# KiCad board Scan_Head_Set-Relay_board-19.01.2023_Copy.kicad_pcb (continued)
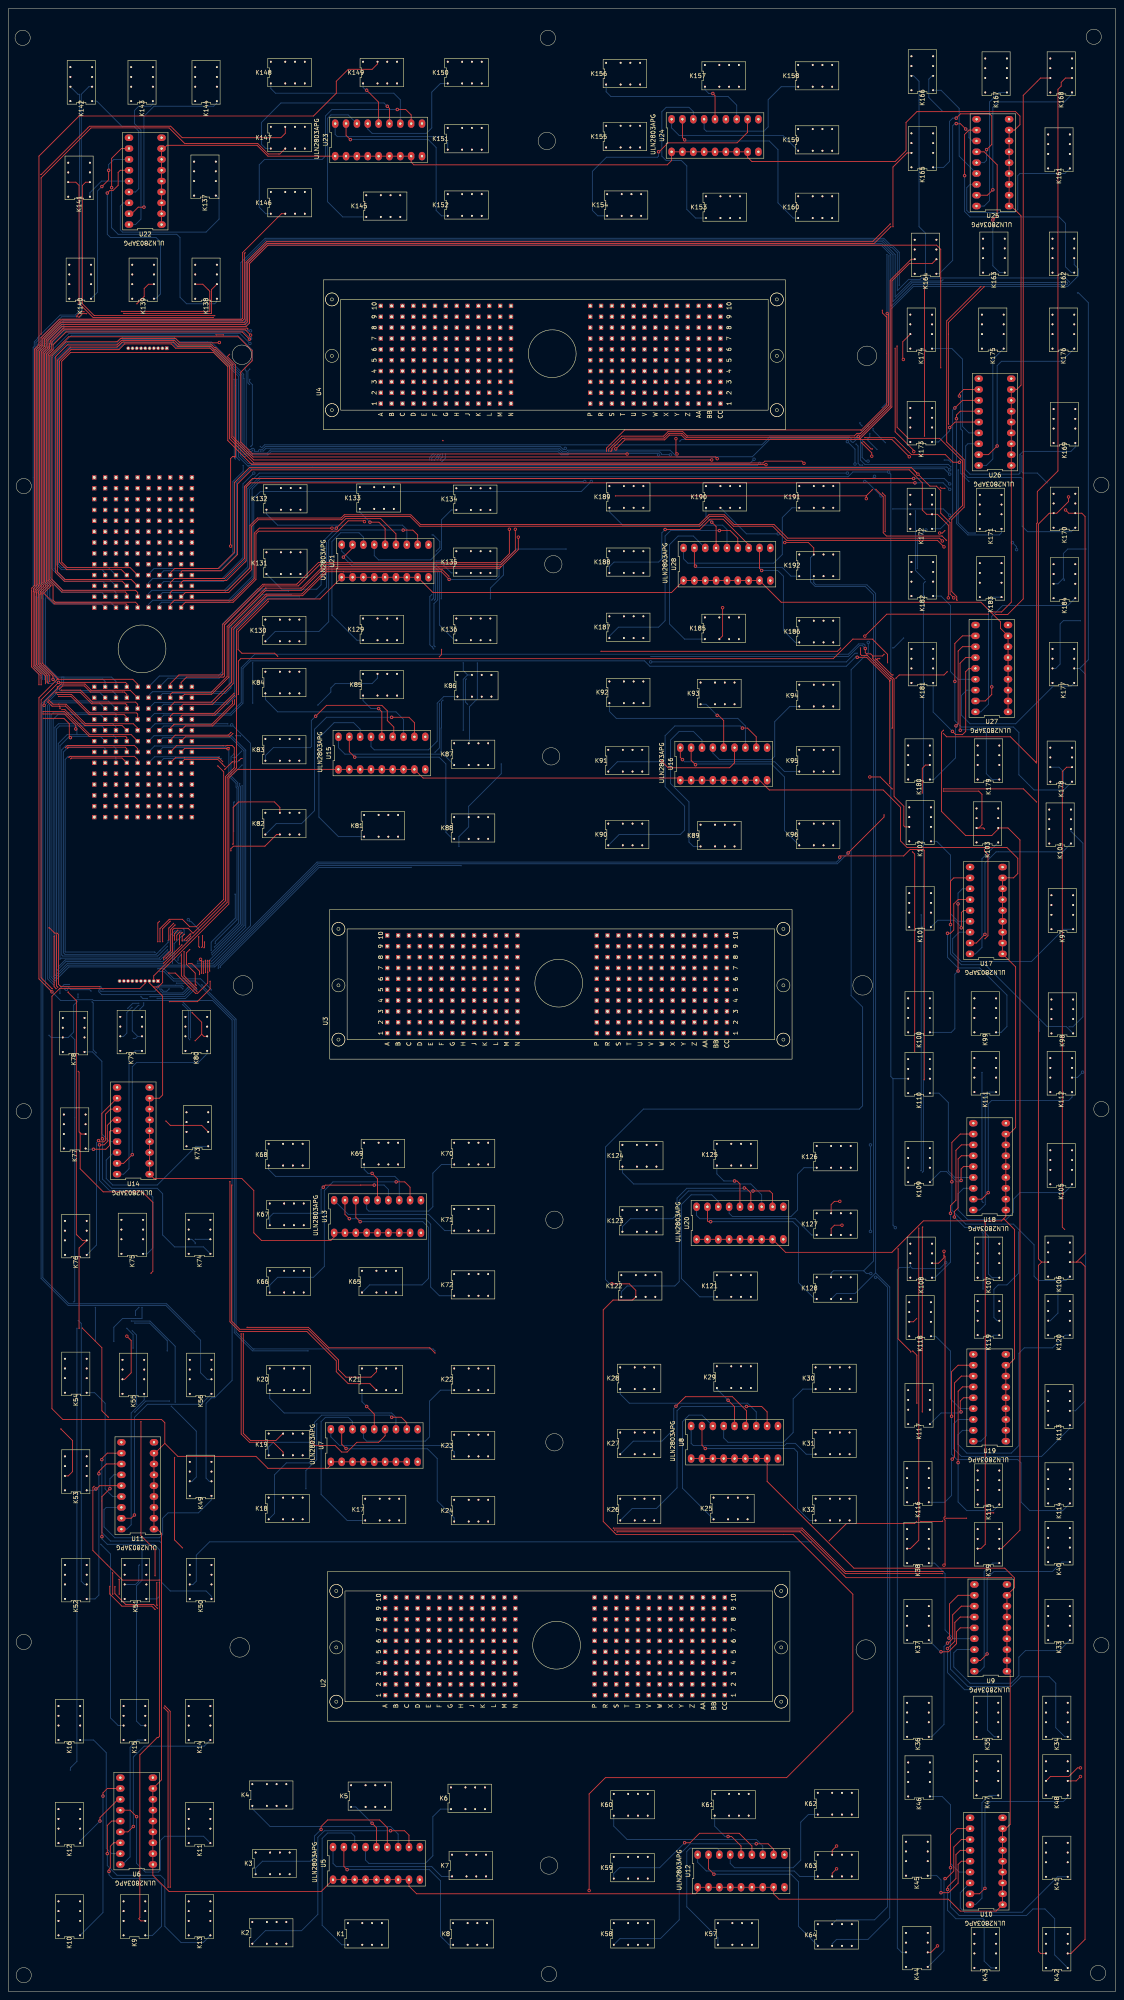
[diagram p0: board, top side]
## Routing (per net, layer and track width the routed paths; a pad name or vN(x,y) marks a point on that pad's centre or on a via; arc(x,y) is an arc through that point) (continued)
IO127: length 659.4
  Top w0.2: U1.T7 27.69,298.2 27.07,298.81 18.88,298.81 14.58,303.12 14.54,303.08 v4(11.7,303.08) ; K178.11 247.65,286.51 246.63,285.5 246.63,178.88 v4(247.18,178.34) ; v4(234.76,96.84) 196.02,96.84 185.28,107.58 142.47,107.58 v4(142.42,107.54) ; v4(35.36,96.27) 26.67,96.27 19.75,103.19 19.75,117.95 v4(20.01,118.21) ; v4(11.19,247.22) 11.21,247.2 11.21,235.32 v4(11.51,235.02)
  +12V w0.2: v4(20.01,118.21) 20.01,121.31 19.96,121.35 19.96,125.39 10.41,134.93 10.41,230.32 10.72,230.62 10.72,231.66 10.67,231.71 10.67,232.32 11.66,233.31 11.66,234.87 v4(11.51,235.02) ; v4(142.42,107.54) 141.32,106.43 45.72,106.43 43.94,104.65 43.94,96.27 ; v4(247.18,178.34) 246.89,178.05 246.89,117.86 247.14,117.6 ; v4(35.36,96.27) 43.94,96.27 ; 43.94,96.27 46.48,96.27 K50.11 ; K114.11 247.14,117.6 ; 247.14,117.6 247.14,113.54 246.38,112.78 243.33,112.78 240.28,109.73 240.28,102.36 v4(234.76,96.84) ; v4(11.7,303.08) 11.19,302.58 v4(11.19,247.22)
IO128: length 647.6
  Top w0.2: v4(11.43,303.53) 14.73,303.53 19.05,299.21 29.97,299.21 30.23,298.96 U1.T6 ; v4(192.09,105.47) 196.1,109.49 212.05,109.49 v4(212.54,109.98) ; v4(229.27,112.01) v4(230.57,112.01) ; v4(11.13,234.7) 10.67,235.15 10.67,246.89 v4(10.76,246.98) ; v4(218.64,110.08) 218.53,109.98 v4(213.49,109.98) ; v4(224.22,110.74) v4(219.4,110.74)
  +12V w0.2: v4(11.13,234.7) 11.26,234.56 11.26,233.48 10.27,232.49 10.27,231.54 10.32,231.49 10.32,230.79 9.94,230.41 9.94,134.51 12.38,132.08 12.7,132.08 19.56,125.22 19.56,103.12 21.34,101.35 21.34,96.52 24.38,93.47 41.15,93.47 42.42,94.74 K50.21 ; v1(189.29,105.22) 191.83,105.22 v4(192.09,105.47) ; v1(246.13,190.75) 246.13,179.32 245.62,178.82 245.62,117.86 245.36,117.6 K114.21 235.97,117.6 233.68,115.32 233.68,113.54 232.16,112.01 v4(230.57,112.01) ; v4(10.76,246.98) 10.71,247.02 10.71,302.81 v4(11.43,303.53) ; v4(229.27,112.01) 225.49,112.01 v4(224.22,110.74) ; v4(213.49,109.98) v4(212.54,109.98) ; v4(219.4,110.74) 218.84,110.74 218.59,110.49 218.59,110.13 v4(218.64,110.08)
  AGND w0.2: v2(246.87,282.19) 246.89,282.17 246.89,227.47 246.13,226.71 v1(246.13,190.75) ; v1(189.29,105.22) v2(188.02,105.22)
  Bottom w0.2: v2(188.02,105.22) 47.05,105.22 43.94,102.11 43.94,96.01 43.18,95.25 K50.21 ; v2(246.87,282.19) 246.87,285.52 245.87,286.51 K178.21
SH1SELECT: length 695.2
  Top w0.2: 36.58,128.27 34.29,125.98 U11.8 U11.1 34.8,108.2 35.81,107.19 35.81,49.53 U6.8 U6.1 33.78,27.18 37.59,23.37 73.15,23.37 U5.1 U5.8 93.73,24.64 95.5,22.86 160.78,22.86 161.29,23.37 U12.1 U12.8 179.07,22.86 180.34,21.59 219.96,21.59 222.76,18.8 231.14,18.8 U10.1 U10.8 233.43,38.1 234.44,39.12 234.44,74.17 U9.1 U9.3 U9.8 235.46,94.49 235.46,96.77 233.17,99.06 197.87,99.06 177.55,119.38 U8.8 U8.1 ; 36.58,128.27 39.62,125.22 57.91,125.22 60.71,122.43 74.68,122.43 75.44,123.19 U7.1 U7.8 ; 36.58,128.27 36.58,133.1 35.81,133.86 12.7,133.86 10.16,136.4 10.16,232.92 11.94,234.7 30.73,234.7 31.98,235.94 J1.4
SH2SELECT: length 601
  Top w0.2: 232.92,180.85 233.43,181.36 U18.1 U18.8 234.19,200.66 235.71,202.18 235.71,239.78 U17.1 U17.8 235.2,260.6 236.22,261.62 236.22,265.18 233.68,267.72 210.31,267.72 208.79,269.24 208.79,277.11 204.72,281.18 178.05,281.18 175.77,283.46 U16.8 U16.1 156.72,283.97 97.03,283.97 U15.8 U15.1 53.59,286 51.56,283.97 51.56,254.51 36.07,239.01 36.07,236.11 35.03,235.08 33.91,235.08 ; 232.92,180.85 235.46,178.31 235.46,148.08 233.93,146.56 U19.8 U19.1 ; 232.92,180.85 232.41,180.34 214.12,180.34 206.76,172.97 181.86,172.97 U20.8 U20.1 ; 33.91,235.08 32.98,236.01 J1.3 ; 33.91,235.08 36.07,232.92 36.07,209.8 35.31,209.04 U14.8 33.02,194.82 ; U13.8 U13.1 76.2,176.53 75.44,175.77 59.18,175.77 57.4,177.55 57.4,187.45 54.61,190.25 34.04,190.25 U14.1 33.02,194.82 ; 33.02,194.82 U14.2
SH3SELECT: length 662
  Top w0.2: U22.1 U22.8 36.32,431.29 37.08,432.05 58.17,432.05 60.71,429.51 U23.1 U23.8 94.23,428.12 94.87,427.48 154.18,427.48 155.19,428.5 U24.1 U24.8 172.97,429.26 173.99,428.24 207.52,428.24 210.06,430.78 210.06,437.39 212.6,439.93 235.71,439.93 236.73,438.91 236.73,436.88 235.46,435.61 U25.8 U25.2 U25.1 234.7,417.83 236.98,415.54 236.98,375.92 235.97,374.9 U26.8 U26.1 234.7,325.12 232.41,322.83 229.87,322.83 ; 229.87,322.83 227.58,325.12 180.85,325.12 U28.8 U28.1 155.19,327.41 99.31,327.41 U21.8 U21.1 72.9,325.88 60.71,325.88 53.34,318.52 53.34,286.32 51.16,284.14 51.16,254.87 33.98,237.69 J1.2 ; 229.87,322.83 232.16,320.55 232.16,319.02 U27.8 U27.1
Net-(K1-PadA1): length 39.2
  Bottom w0.2: U5.16 81.03,36.32 80.26,37.08 74.68,37.08 73.41,35.81 73.41,15.49 77.98,10.92 K1.A1
Net-(K2-PadA1): length 61.4
  Top w0.2: U5.11 93.73,36.58 92.7,37.61 v5(89.42,37.61)
  Bottom w0.2: K2.A1 60.12,14.22 68.58,14.22 72.39,18.03 72.39,36.07 73.93,37.61 v5(89.42,37.61)
Net-(K3-PadA1): length 45.5
  Top w0.2: v5(73.15,37.91) 73.15,38.61 74.68,40.13 86.87,40.13 88.65,38.35 U5.13
  Bottom w0.2: K3.A1 57.83,28.87 59.44,30.48 70.61,30.48 71.63,31.5 71.63,36.38 v5(73.15,37.91)
Net-(K4-PadA1): length 40.3
  Bottom w0.2: U5.12 91.19,36.83 89.41,38.61 61.21,38.61 57.07,42.75 K4.A1
Net-(K5-PadA1): length 12.5
  Top w0.2: v5(85.09,39.37) 86.11,38.35 U5.14
  Bottom w0.2: v5(85.09,39.37) 81.28,43.18 K5.A1
Net-(K6-PadA1): length 34
  Bottom w0.2: U5.15 83.57,30.73 84.33,29.97 97.54,29.97 99.31,31.75 99.31,40.89 101.09,42.67 K6.A1
Net-(K7-PadA1): length 32.9
  Bottom w0.2: K7.A1 101.35,26.92 99.06,29.21 76.71,29.21 75.95,29.97 U5.18
Net-(K8-PadA1): length 45.3
  Top w0.2: U5.17 78.49,29.27 v5(79.25,28.51)
  Bottom w0.2: K8.A1 103.12,10.92 101.09,12.95 101.09,25.91 98.49,28.51 v5(79.25,28.51)
Net-(K9-PadA1): length 37.1
  Top w0.2: v5(23.51,28.08) 23.51,28.59 23.81,28.89 23.81,33.97 24.64,34.8 U6.16
  Bottom w0.2: K9.A1 33.7,13.13 35.81,15.24 35.81,24.89 34.29,26.42 24.38,26.42 23.51,27.29 v5(23.51,28.08)
Net-(K10-PadA1): length 40.1
  Top w0.2: U6.11 23.11,47.5 22.1,46.48 v5(22.1,45.72)
  Bottom w0.2: K10.A1 22.1,18.46 v5(22.1,45.72)
Net-(K11-PadA1): length 41.6
  Top w0.2: v5(29.97,40.89) 28.45,42.42 U6.13
  Bottom w0.2: v5(29.97,40.89) 29.97,29.97 32,27.94 35.05,27.94 35.56,28.45 35.56,35.31 36.58,36.32 45.64,36.32 K11.A1
Net-(K12-PadA1): length 14.4
  Top w0.2: U6.12 25.65,44.96 21.4,40.7 v5(21.4,39.88)
  Bottom w0.2: K12.A1 16.76,35.24 v5(21.4,39.88)
Net-(K13-PadA1): length 51.6
  Top w0.2: U6.14 24.13,39.88 23.11,38.86 v5(23.11,32.26)
  Bottom w0.2: K13.A1 45.55,11.43 40.39,11.43 36.58,15.24 36.58,26.16 35.56,27.18 25.4,27.18 23.11,29.46 v5(23.11,32.26)
Net-(K14-PadA1): length 39.5
  Top w0.2: v5(29.21,38.61) 27.94,37.34 U6.15
  Bottom w0.2: v5(29.21,38.61) 29.21,54.86 31.75,57.4 45.8,57.4 K14.A1
Net-(K15-PadA1): length 32.9
  Bottom w0.2: K15.A1 30.14,58.85 28.45,57.15 28.45,31.5 26.67,29.72 U6.18
Net-(K16-PadA1): length 33.5
  Bottom w0.2: U6.17 24.13,32.26 22.86,33.53 22.86,55.88 19.89,58.85 K16.A1
Net-(K17-PadA1): length 39.9
  Bottom w0.2: K17.A1 79.25,110.24 73.15,116.33 73.15,133.35 74.17,134.37 79.5,134.37 80.52,133.35 U7.16
Net-(K18-PadA1): length 54.8
  Top w0.2: U7.11 93.22,133.1 91.93,134.38 v5(89.68,134.38)
  Bottom w0.2: v5(89.68,134.38) 89.18,134.87 73.3,134.87 71.63,133.2 71.63,124.97 70.36,123.7 65.02,123.7 62.23,120.9 62.23,111.84 K18.A1
Net-(K19-PadA1): length 33.7
  Top w0.2: v5(70.93,128.52) 71.69,127.76 76.45,127.76 77.98,126.24 79.25,126.24 81.53,128.52 86.61,128.52 88.14,130.05 U7.13
  Bottom w0.2: v5(70.93,128.52) 61.98,128.52 60.88,127.43 K19.A1
Net-(K20-PadA1): length 36.1
  Bottom w0.2: K20.A1 61.13,138.77 64.52,135.38 89.66,135.38 90.68,134.37 U7.12
Net-(K21-PadA1): length 10.3
  Top w0.2: v5(83.82,136.91) 85.6,135.13 U7.14
  Bottom w0.2: K21.A1 82.72,138 v5(83.82,136.91)
Net-(K22-PadA1): length 33.5
  Bottom w0.2: U7.15 83.06,129.54 83.82,128.78 97.54,128.78 98.55,129.79 98.55,138.18 101.09,140.72 K22.A1
Net-(K23-PadA1): length 33.2
  Bottom w0.2: K23.A1 104.31,126.32 102.87,127.76 77.47,127.76 75.44,129.79 U7.18
Net-(K24-PadA1): length 43.6
  Top w0.2: U7.17 77.98,128.08 v5(78.99,127.06)
  Bottom w0.2: K24.A1 104.31,110.83 100.33,114.81 100.33,124.71 98.04,127 79.06,127 v5(78.99,127.06)
Net-(K25-PadA1): length 34.7
  Bottom w0.2: U8.16 162.31,134.87 159.26,134.87 157.73,133.35 157.73,117.77 K25.A1
Net-(K26-PadA1): length 59.8
  Top w0.2: v5(172.72,136.91) 176.28,136.91 177.55,135.64 U8.11
  Bottom w0.2: K26.A1 145.97,113.03 151.64,113.03 156.46,117.86 156.46,135.89 157.48,136.91 v5(172.72,136.91)
Net-(K27-PadA1): length 43
  Top w0.2: v5(156.21,136.97) 158.43,139.19 169.42,139.19 172.72,135.89 172.72,132.59 U8.13
  Bottom w0.2: v5(156.21,136.97) 155.7,136.46 155.7,131.57 152.91,128.78 146.22,128.78 K27.A1
Net-(K28-PadA1): length 38
  Bottom w0.2: U8.12 175.01,135.64 172.97,137.67 145.29,137.67 143.17,139.78 K28.A1
Net-(K29-PadA1): length 10.6
  Top w0.2: U8.14 169.93,136.84 v5(168.4,138.37)
  Bottom w0.2: v5(168.4,138.37) 165.78,140.99 K29.A1
Net-(K30-PadA1): length 34.5
  Bottom w0.2: K30.A1 185.93,140.97 183.64,138.68 183.64,130.81 181.36,128.52 168.4,128.52 167.39,129.54 U8.15
Net-(K31-PadA1): length 34.7
  Bottom w0.2: U8.18 159.77,128.27 160.27,127.76 181.61,127.76 182.12,128.27 184.15,128.27 186.69,125.73 K31.A1
Net-(K32-PadA1): length 46.1
  Top w0.2: U8.17 162.31,127.82 v5(163.07,127.06)
  Bottom w0.2: K32.A1 187.45,110.24 184.66,113.03 184.66,126.24 183.83,127.06 v5(163.07,127.06)
Net-(K33-PadA1): length 43.9
  Bottom w0.2: U9.16 222,80.01 221.23,79.25 221.23,75.95 225.04,72.14 234.7,72.14 236.47,73.91 236.47,78.23 238,79.76 245.95,79.76 K33.A1
Net-(K34-PadA1): length 64.1
  Top w0.2: v5(220.1,82.69) 220.22,82.8 220.22,90.68 222.25,92.71 U9.11
  Bottom w0.2: v5(220.1,82.69) 220.47,82.32 220.47,75.44 224.54,71.37 234.7,71.37 236.98,73.66 243.59,73.66 245.11,72.14 245.11,61.72 247.22,59.61 K34.A1
Net-(K35-PadA1): length 41
  Top w0.2: v5(219.77,80.26) 221.49,81.98 221.49,86.36 222.76,87.63 U9.13
  Bottom w0.2: K35.A1 230.71,59.61 229.11,61.21 229.11,70.36 228.85,70.61 223.77,70.61 219.77,74.61 v5(219.77,80.26)
Net-(K36-PadA1): length 37.3
  Top w0.2: v5(219.77,81.53) 219.94,81.53 220.98,82.58 220.98,88.14 223.01,90.17 U9.12
  Bottom w0.2: v5(219.77,81.53) 218.95,80.71 218.95,62.48 216.07,59.61 K36.A1
Net-(K37-PadA1): length 15.8
  Top w0.2: U9.14 222.76,85.09 221.89,84.22 221.89,81.39 220,79.5 v5(218.25,79.5)
  Bottom w0.2: K37.A1 218.1,79.5 v5(218.25,79.5)
Net-(K38-PadA1): length 25.7
  Bottom w0.2: K38.A1 216.74,100.25 219.2,97.79 219.2,84.58 221.23,82.55 U9.15
Net-(K39-PadA1): length 29.4
  Bottom w0.2: K39.A1 230.3,100.25 228.35,98.3 228.35,75.95 227.33,74.93 U9.18
Net-(K40-PadA1): length 42.3
  Top w0.2: v5(229.05,78.99) 227.52,77.47 U9.17
  Bottom w0.2: K40.A1 246.55,100.5 244.35,98.3 230.63,98.3 229.05,96.71 v5(229.05,78.99)
Net-(K41-PadA1): length 35.8
  Bottom w0.2: U10.16 222.76,23.11 222.76,19.56 223.77,18.54 237.24,18.54 245.54,26.84 K41.A1
Net-(K42-PadA1): length 61.5
  Top w0.2: U10.11 222,38.1 220.49,36.59 v5(220.49,28.97)
  Bottom w0.2: K42.A1 244.86,8.55 244.86,17.02 242.57,19.3 239.78,19.3 238.25,17.78 222.5,17.78 220.49,19.8 v5(220.49,28.97)
Net-(K43-PadA1): length 40.1
  Top w0.2: U10.13 222.76,33.02 221.74,32 221.74,26.42 219.79,24.46 v5(219.79,23.88)
  Bottom w0.2: K43.A1 229.95,5.51 228.35,7.11 228.35,16.76 228.09,17.02 221.74,17.02 219.79,18.97 v5(219.79,23.88)
Net-(K44-PadA1): length 35.3
  Top w0.2: v5(219.2,26.42) 219.46,26.42 221.23,28.19 221.23,33.78 223.01,35.56 U10.12
  Bottom w0.2: v5(219.2,26.42) 218.95,26.16 218.95,9.52 215.19,5.76 K44.A1
Net-(K45-PadA1): length 18.9
  Top w0.2: v5(218.25,23.11) 220.01,23.11 222.25,25.35 222.25,29.72 223.01,30.48 U10.14
  Bottom w0.2: K45.A1 217.25,27.1 218.25,26.1 v5(218.25,23.11)
Net-(K46-PadA1): length 24.8
  Bottom w0.2: K46.A1 218.52,45.64 220.47,43.69 220.47,29.97 222.5,27.94 U10.15
Net-(K47-PadA1): length 30.3
  Bottom w0.2: U10.18 226.31,20.32 227.84,21.84 227.84,44.2 229.53,45.89 K47.A1
Net-(K48-PadA1): length 43.8
  Top w0.2: U10.17 227.27,22.86 v5(228.54,24.13)
  Bottom w0.2: v5(228.54,24.13) 228.54,43.12 229.87,44.45 246.89,44.45 247.9,45.47 K48.A1
Net-(K49-PadA1): length 41.4
  Bottom w0.2: U11.16 22.86,113.28 22.35,112.78 22.35,108.71 24.89,106.17 35.31,106.17 36.07,106.93 36.07,110.74 37.34,112.01 44.45,112.01 47.5,115.06 K49.A1
Net-(K50-PadA1): length 60.2
  Top w0.2: v5(21.84,124.46) 21.84,124.71 23.11,125.98 U11.11
  Bottom w0.2: K50.A1 47.5,92.46 46.23,93.73 37.85,93.73 35.81,95.76 35.81,104.9 35.31,105.41 23.88,105.41 21.84,107.44 v5(21.84,124.46)
Net-(K51-PadA1): length 46.6
  Top w0.2: v5(21.86,106.44) 21.86,115.8 v5(23.72,117.66)
  Bottom w0.2: v5(23.72,117.66) 23.72,119.99 24.64,120.9 U11.13 ; K51.A1 34.72,91.87 35.31,92.46 35.31,103.38 34.04,104.65 23.11,104.65 21.86,105.9 v5(21.86,106.44)
Net-(K52-PadA1): length 38.2
  Top w0.2: U11.12 22.89,123.44 21.14,121.7 v5(21.14,121.16)
  Bottom w0.2: v5(21.14,121.16) 21.14,92.77 20.24,91.87 K52.A1
Net-(K53-PadA1): length 8.6
  Top w0.2: v5(20.44,117.6) 20.57,117.6 21.34,118.36 U11.14
  Bottom w0.2: v5(20.44,117.6) 20.11,117.27 K53.A1
Net-(K54-PadA1): length 29.9
  Bottom w0.2: K54.A1 20.15,140.13 22.61,137.67 22.61,117.6 24.38,115.82 U11.15
Net-(K55-PadA1): length 34.6
  Bottom w0.2: K55.A1 31.75,138.43 28.7,135.38 28.7,109.22 27.69,108.2 U11.18
Net-(K56-PadA1): length 46.5
  Top w0.2: v5(29.46,111.51) 28.7,110.74 U11.17
  Bottom w0.2: v5(29.46,111.51) 29.46,134.37 32.51,137.41 45.04,137.41 K56.A1
Net-(K57-PadA1): length 34
  Bottom w0.2: U12.16 166.37,33.02 165.86,33.53 159.51,33.53 158.75,32.77 158.75,19.81 166.03,12.53 K57.A1
Net-(K58-PadA1): length 57.9
  Top w0.2: v5(175.02,34.56) 177.79,34.56 179.07,33.27 U12.11
  Bottom w0.2: v5(175.02,34.56) 159.53,34.56 156.97,32 156.97,16.76 152.57,12.36 143.09,12.36 K58.A1
Net-(K59-PadA1): length 40.7
  Top w0.2: v5(158.24,34.8) 159.51,34.8 161.74,37.02 171,37.02 173.99,34.04 U12.13
  Bottom w0.2: v5(158.24,34.8) 152.4,28.96 143,28.96 141.65,27.6 K59.A1
Net-(K60-PadA1): length 41.3
  Bottom w0.2: U12.12 176.53,34.04 175.01,35.56 144.78,35.56 141.65,38.69 K60.A1
Net-(K61-PadA1): length 12.6
  Top w0.2: v5(168.4,36.26) 169.23,36.26 171.45,34.04 U12.14
  Bottom w0.2: v5(168.4,36.26) 167.7,36.26 165.27,38.69 K61.A1
Net-(K62-PadA1): length 33.3
  Bottom w0.2: K62.A1 187.2,41.4 185.42,39.62 185.42,30.73 183.64,28.96 169.93,28.96 168.91,29.97 U12.15
Net-(K63-PadA1): length 31.3
  Bottom w0.2: U12.18 161.29,30.23 163.32,28.19 183.9,28.19 185.17,26.92 K63.A1
Net-(K64-PadA1): length 42.5
  Top w0.2: v5(165.1,27.43) 163.83,28.7 U12.17
  Bottom w0.2: K64.A1 189.4,10.72 184.91,15.21 184.91,25.65 183.13,27.43 v5(165.1,27.43)
Net-(K65-PadA1): length 50.9
  Top w0.2: U13.16 81.28,181.16 v5(82.3,180.15)
  Bottom w0.2: v5(82.3,180.15) 96.97,180.15 98.3,178.82 98.3,166.88 96.77,165.35 84.5,165.35 K65.A1
Net-(K66-PadA1): length 58.5
  Top w0.2: v5(90.72,189.47) 92.73,189.47 93.98,188.21 U13.11
  Bottom w0.2: K66.A1 61.13,165.27 62.99,167.13 71.37,167.13 73.91,169.67 73.91,187.45 75.93,189.47 v5(90.72,189.47)
Net-(K67-PadA1): length 39
  Top w0.2: v5(85.6,188.72) 82.44,188.72 82.43,188.71 74.15,188.71 v5(73.66,188.21)
  Bottom w0.2: K67.A1 61.13,181.27 61.98,182.12 73.15,182.12 73.15,187.71 v5(73.66,188.21) ; v5(85.6,188.72) 87.88,188.72 88.9,187.71 U13.13
Net-(K68-PadA1): length 37.2
  Bottom w0.2: K68.A1 60.88,192.36 62.48,190.75 90.42,190.75 91.44,189.74 U13.12
Net-(K69-PadA1): length 10.2
  Top w0.2: U13.14 86.36,190.18 v5(85.09,191.45)
  Bottom w0.2: v5(85.09,191.45) 84.14,191.45 83.23,192.36 K69.A1
Net-(K70-PadA1): length 31.9
  Bottom w0.2: K70.A1 101.35,193.55 99.31,191.52 99.31,183.64 98.3,182.63 84.33,182.63 83.82,183.13 U13.15
Net-(K71-PadA1): length 31.1
  Bottom w0.2: K71.A1 102.11,178.05 98.3,181.86 79.5,181.86 U13.18
Net-(K72-PadA1): length 45.4
  Top w0.2: U13.17 78.74,181.86 v5(79.76,180.85)
  Bottom w0.2: K72.A1 100.84,162.81 98.81,164.85 98.81,179.58 97.54,180.85 v5(79.76,180.85)
Net-(K73-PadA1): length 35.9
  Bottom w0.2: K73.A1 43.86,197.78 34.8,188.72 24.38,188.72 22.86,190.25 22.86,194.56 24.64,196.34 U14.16
Net-(K74-PadA1): length 58.6
  Top w0.2: v5(21.98,199.53) 21.84,199.67 21.84,205.49 U14.11
  Bottom w0.2: K74.A1 45.64,174.24 38.86,174.24 36.07,177.04 36.07,186.69 34.8,187.96 24.13,187.96 21.98,190.11 v5(21.98,199.53)
Net-(K75-PadA1): length 46
  Top w0.2: U14.13 24.38,203.96 23.11,202.69 23.11,198.88 22.35,198.12 v5(21.28,198.12)
  Bottom w0.2: K75.A1 32.43,172.64 33.78,173.99 33.78,185.93 32.26,187.45 23.62,187.45 21.28,189.79 v5(21.28,198.12)
Net-(K76-PadA1): length 39.1
  Top w0.2: v5(21.07,199.13) 21.37,198.83 22.3,198.83 22.71,199.24 22.71,205.34 23.88,206.5 U14.12
  Bottom w0.2: v5(21.07,199.13) 20.57,198.64 20.57,174.67 K76.A1
Net-(K77-PadA1): length 11.1
  Top w0.2: U14.14 23.88,201.42 23.62,201.17 23.62,197.96 22.76,197.1 v5(19.87,197.1)
  Bottom w0.2: v5(19.87,197.1) 18.21,197.1 K77.A1
Net-(K78-PadA1): length 26.3
  Bottom w0.2: K78.A1 19.64,219.88 21.84,217.68 21.84,200.66 23.62,198.88 U14.15
Net-(K79-PadA1): length 33.1
  Bottom w0.2: K79.A1 29.64,220.14 28.19,218.69 28.19,192.53 26.92,191.26 U14.18
Net-(K80-PadA1): length 44.4
  Top w0.2: v5(28.96,195.83) 26.92,193.8 U14.17
  Bottom w0.2: v5(28.96,195.83) 28.96,216.41 29.97,217.42 44.45,217.42 46.48,219.46 K80.A1
Net-(K81-PadA1): length 44.6
  Bottom w0.2: U15.16 82.3,295.4 80.77,296.93 76.2,296.93 72.64,293.37 72.64,274.83 77.22,270.26 K81.A1
Net-(K82-PadA1): length 61.2
  Top w0.2: U15.11 95,296.93 93.73,298.2 v5(89.66,298.2)
  Bottom w0.2: v5(89.66,298.2) 74.42,298.2 71.63,295.4 71.63,276.35 68.58,273.3 62.66,273.3 K82.A1
Net-(K83-PadA1): length 45.5
  Top w0.2: U15.13 90.17,293.88 90.17,295.91 88.65,297.43 88.65,299.72 87.38,300.99 74.42,300.99 v5(71.88,298.45)
  Bottom w0.2: K83.A1 60.12,289.22 61.98,291.08 70.61,291.08 70.87,291.34 70.87,297.43 v5(71.88,298.45)
Net-(K84-PadA1): length 39.8
  Bottom w0.2: K84.A1 60.12,302.34 62.99,299.47 90.68,299.47 92.46,297.69 U15.12
Net-(K85-PadA1): length 12.5
  Top w0.2: U15.14 87.38,299.47 v5(86.61,300.23)
  Bottom w0.2: v5(86.61,300.23) 84.84,300.23 82.98,302.09 K85.A1
Net-(K86-PadA1): length 33.2
  Bottom w0.2: K86.A1 101.85,303.02 100.33,301.5 100.33,292.61 98.3,290.58 85.6,290.58 84.84,291.34 U15.15
Net-(K87-PadA1): length 31.3
  Bottom w0.2: K87.A1 101.77,289.56 78.74,289.56 77.22,291.08 U15.18
Net-(K88-PadA1): length 45.9
  Top w0.2: U15.17 79.76,290.13 v5(81.03,288.86)
  Bottom w0.2: v5(81.03,288.86) 100.78,288.86 102.36,287.27 102.36,271.27 103.89,269.75 K88.A1
Net-(K89-PadA1): length 39.6
  Bottom w0.2: U16.16 162.31,292.86 160.27,294.89 156.97,294.89 154.94,292.86 154.94,282.7 159.26,278.38 159.26,268.99 160.27,267.97 K89.A1
Net-(K90-PadA1): length 69.2
  Top w0.2: v5(171.77,295.67) 172.96,295.67 175.01,293.62 U16.11
  Bottom w0.2: v5(171.77,295.67) 171.27,296.16 155.96,296.16 153.67,293.88 153.67,281.94 158.24,277.37 158.24,271.78 157.23,270.76 142.92,270.76 K90.A1
Net-(K91-PadA1): length 35.2
  Top w0.2: v5(152.97,287.78) 154.37,286.38 168.78,286.38 169.93,287.53 U16.13
  Bottom w0.2: K91.A1 140.38,285.67 142.49,287.78 v5(152.97,287.78)
Net-(K92-PadA1): length 40.3
  Bottom w0.2: K92.A1 140.63,299.55 142.24,297.94 170.69,297.94 172.47,296.16 U16.12
Net-(K93-PadA1): length 13.3
  Top w0.2: U16.14 167.39,297.43 166.18,298.64 v5(165.86,298.64)
  Bottom w0.2: K93.A1 163.26,301.24 v5(165.86,298.64)
Net-(K94-PadA1): length 32.1
  Bottom w0.2: U16.15 164.85,289.81 166.37,288.29 178.56,288.29 179.32,289.05 179.32,297.18 182.88,300.74 K94.A1
Net-(K95-PadA1): length 31.5
  Top w0.2: U16.18 157.23,288.8 v5(157.73,288.29)
  Bottom w0.2: K95.A1 181.61,285.5 179.32,287.78 158.24,287.78 v5(157.73,288.29)
Net-(K96-PadA1): length 44
  Top w0.2: v5(160.78,287.08) 159.77,288.1 U16.17
  Bottom w0.2: v5(160.78,287.08) 160.97,287.27 178.56,287.27 181.61,284.23 181.61,271.7 K96.A1
Net-(K97-PadA1): length 40.2
  Bottom w0.2: K97.A1 246.97,248.58 239.44,241.05 223.01,241.05 220.98,243.08 220.98,246.38 222.5,247.9 U17.16
Net-(K98-PadA1): length 58.3
  Top w0.2: U17.11 221.23,260.6 220.47,259.84 v5(220.47,249.68)
  Bottom w0.2: v5(220.47,249.68) 220.47,242.82 223.01,240.28 228.6,240.28 243.08,225.81 247.57,225.81 K98.A1
Net-(K99-PadA1): length 45.8
  Top w0.2: U17.13 222.25,255.52 221.23,254.51 221.23,248.41 220.47,247.65 v5(219.77,247.65)
  Bottom w0.2: v5(219.77,247.65) 219.77,242 222.25,239.52 227.33,239.52 233.68,233.17 233.68,225.81 232.33,224.45 K99.A1
Net-(K100-PadA1): length 41.5
  Top w0.2: v5(222.24,254.52) 222.24,238.84 v5(222.25,238.82)
  Bottom w0.2: U17.12 223.27,258.06 222.24,257.03 v5(222.24,254.52) ; K100.A1 220.64,224.45 221.49,225.3 221.49,238.06 v5(222.25,238.82)
Net-(K101-PadA1): length 14.4
  Top w0.2: U17.14 223.52,252.98 223.01,252.48 223.01,248.94 v5(222.99,248.92)
  Bottom w0.2: v5(222.99,248.92) 222.99,249.14 221.43,250.7 217.51,250.7 K101.A1
Net-(K102-PadA1): length 24.9
  Bottom w0.2: U17.15 222.25,250.44 220.47,252.22 220.47,265.94 217.25,269.16 K102.A1
Net-(K103-PadA1): length 29.6
  Bottom w0.2: K103.A1 227.84,265.09 227.84,244.35 226.31,242.82 U17.18
Net-(K104-PadA1): length 43.1
  Top w0.2: U17.17 226.51,245.36 v5(228.54,247.4)
  Bottom w0.2: K104.A1 246.72,266.7 231.14,266.7 228.54,264.1 v5(228.54,247.4)
Net-(K105-PadA1): length 40.8
  Bottom w0.2: U18.16 223.52,187.96 222.25,186.69 222.25,182.88 224.54,180.59 233.43,180.59 235.2,182.37 235.2,185.42 236.73,186.94 247.14,186.94 248.92,188.72 K105.A1
Net-(K106-PadA1): length 60.8
  Top w0.2: v5(220.79,189.48) 220.79,198.69 222.76,200.66 U18.11
  Bottom w0.2: v5(220.79,189.48) 220.79,182.82 224.03,179.58 235.2,179.58 240.03,174.75 240.03,167.39 241.05,166.37 247.48,166.37 K106.A1
Net-(K107-PadA1): length 39.4
  Top w0.2: v5(221.37,181.24) 221.37,182.51 222.25,183.39 222.25,194.82 223.01,195.58 U18.13
  Bottom w0.2: K107.A1 230.21,167.05 229.36,167.89 229.36,176.78 227.33,178.82 223.8,178.82 v5(221.37,181.24)
Net-(K108-PadA1): length 37.1
  Top w0.2: U18.12 223.01,198.12 221.74,196.85 221.74,185.17 220.47,183.9 v5(220.47,182.12)
  Bottom w0.2: K108.A1 216.83,167.05 220.47,170.69 v5(220.47,182.12)
Net-(K109-PadA1): length 15.2
  Top w0.2: U18.14 223.52,193.04 222.95,192.47 v5(222.95,189.8)
  Bottom w0.2: K109.A1 218.1,191.86 219.56,191.86 221.94,189.48 222.63,189.48 v5(222.95,189.8)
Net-(K110-PadA1): length 27.7
  Bottom w0.2: K110.A1 217.76,210.23 219.96,208.03 219.96,192.02 221.49,190.5 U18.15
Net-(K111-PadA1): length 31.6
  Bottom w0.2: U18.18 227.33,182.88 228.6,184.15 228.6,209.55 229.53,210.48 K111.A1
Net-(K112-PadA1): length 46.4
  Top w0.2: v5(229.3,186.94) 227.78,185.42 U18.17
  Bottom w0.2: K112.A1 248.92,209.3 248.16,208.53 230.12,208.53 229.3,207.71 v5(229.3,186.94)
Net-(K113-PadA1): length 42.2
  Bottom w0.2: K113.A1 248.41,131.83 241.81,125.22 223.01,125.22 221.23,127 221.23,132.84 222.25,133.86 U19.16
Net-(K114-PadA1): length 64.2
  Top w0.2: v5(220.73,134.62) 220.73,145.03 222.25,146.56 U19.11
  Bottom w0.2: v5(220.73,134.62) 220.73,125.73 222,124.46 236.22,124.46 236.98,123.7 236.98,114.55 239.01,112.52 246.72,112.52 K114.A1
Net-(K115-PadA1): length 41
  Top w0.2: v5(222.25,123.76) 222.25,140.46 223.27,141.48 U19.13
  Bottom w0.2: K115.A1 230.46,112.52 224.28,112.52 222.25,114.55 v5(222.25,123.76)
Net-(K116-PadA1): length 37.7
  Top w0.2: v5(220.89,124.58) 221.43,125.11 221.43,142.43 223.01,144.02 U19.12
  Bottom w0.2: v5(220.89,124.58) 220.73,124.41 220.73,116.08 219.12,114.47 K116.A1
Net-(K117-PadA1): length 14.5
  Top w0.2: U19.14 223.52,138.94 222.76,138.18 222.76,135.83 v5(222.95,135.64)
  Bottom w0.2: K117.A1 218.27,135.38 222.7,135.38 v5(222.95,135.64)
Net-(K118-PadA1): length 23.5
  Bottom w0.2: K118.A1 217,153.33 220.47,149.86 220.47,138.68 222.76,136.4 U19.15
Net-(K119-PadA1): length 29.2
  Bottom w0.2: U19.18 227.58,128.78 228.85,130.05 228.85,151.89 230.55,153.59 K119.A1
Net-(K120-PadA1): length 57.3
  Bottom w0.2: U19.17 223.27,131.32 222.25,130.3 222.25,128.02 224.28,125.98 234.7,125.98 236.47,127.76 236.47,149.35 237.74,150.62 244.35,150.62 247.31,153.59 K120.A1
Net-(K121-PadA1): length 38.8
  Bottom w0.2: U20.16 166.12,184.91 164.59,186.44 159.77,186.44 157.48,184.15 157.48,166.88 161.8,162.56 K121.A1
Net-(K122-PadA1): length 60.8
  Top w0.2: v5(174.24,187.34) 178.17,187.34 178.82,186.69 U20.11
  Bottom w0.2: v5(174.24,187.34) 159.14,187.34 156.97,185.17 156.97,166.12 155.96,165.1 144.78,165.1 143.43,163.75 K122.A1
Net-(K123-PadA1): length 40.9
  Top w0.2: v5(172.21,188.04) 172.55,188.04 173.74,186.86 U20.13
  Bottom w0.2: v5(172.21,188.04) 172.13,187.96 158.75,187.96 156.46,185.67 156.46,181.86 155.45,180.85 145.54,180.85 143.68,178.99 K123.A1
Net-(K124-PadA1): length 39
  Bottom w0.2: K124.A1 143.68,191.6 146.3,188.98 173.74,188.98 176.28,186.44 U20.12
Net-(K125-PadA1): length 13.7
  Top w0.2: v5(169.93,189.68) 170.5,189.68 171.2,188.98 U20.14
  Bottom w0.2: v5(169.93,189.68) 167.45,189.68 165.78,191.34 K125.A1
Net-(K126-PadA1): length 32
  Bottom w0.2: K126.A1 186.18,192.79 184.66,191.26 184.66,182.88 183.13,181.36 169.42,181.36 168.66,182.12 U20.15
Net-(K127-PadA1): length 32
  Bottom w0.2: K127.A1 187.96,177.04 184.15,180.85 161.8,180.85 161.04,181.61 U20.18
Net-(K128-PadA1): length 44
  Top w0.2: U20.17 163.58,180.34 163.77,180.15 v5(164.34,180.15)
  Bottom w0.2: K128.A1 188.72,162.05 184.91,165.86 184.91,178.82 183.58,180.15 v5(164.34,180.15)
Net-(K129-PadA1): length 37.4
  Bottom w0.2: U21.16 83.06,340.36 82.04,341.38 77.72,341.38 75.69,339.34 75.69,322.07 81.53,316.23 K129.A1
Net-(K130-PadA1): length 60.4
  Top w0.2: U21.11 95.76,340.87 94.63,341.99 v5(92.37,341.99)
  Bottom w0.2: v5(92.37,341.99) 92.34,342.02 77.36,342.02 74.93,339.6 74.93,320.55 72.64,318.26 62.4,318.26 K130.A1
Net-(K131-PadA1): length 48.3
  Top w0.2: U21.13 90.68,341.12 87.12,344.68 78.93,344.68 v5(76.71,342.45)
  Bottom w0.2: v5(76.71,342.45) 73.15,338.9 73.15,329.18 72.14,328.17 63.93,328.17 K131.A1
Net-(K132-PadA1): length 38.9
  Bottom w0.2: U21.12 93.22,342.14 92.2,343.15 62.99,343.15 60.37,345.78 K132.A1
Net-(K133-PadA1): length 12.1
  Top w0.2: v5(84.58,343.85) 86.68,343.85 88.14,342.39 U21.14
  Bottom w0.2: K133.A1 82.21,346.22 v5(84.58,343.85)
Net-(K134-PadA1): length 31
  Bottom w0.2: U21.15 85.6,336.04 86.61,335.03 98.81,335.03 101.35,337.57 101.35,344.42 103.63,346.71 K134.A1
Net-(K135-PadA1): length 30.5
  Bottom w0.2: U21.18 77.98,337.06 80.77,334.26 101.35,334.26 103.63,331.98 K135.A1
Net-(K136-PadA1): length 45.6
  Top w0.2: U21.17 80.52,337.82 v5(78.37,335.67)
  Bottom w0.2: K136.A1 104.39,316.23 100.84,319.79 100.84,332.23 99.51,333.56 80.48,333.56 v5(78.37,335.67)
Net-(K137-PadA1): length 38.4
  Bottom w0.2: U22.16 26.92,418.59 26.16,417.83 26.16,412.24 26.67,411.73 46.23,411.73 49.28,414.78 49.28,419.61 48.6,420.29 K137.A1
Net-(K138-PadA1): length 62.3
  Top w0.2: v5(24.13,422.15) 24.13,429.01 26.42,431.29 U22.11
  Bottom w0.2: v5(24.13,422.15) 24.13,412.75 25.65,411.23 39.37,411.23 40.13,410.46 40.13,396.49 41.66,394.97 48.26,394.97 48.77,395.48 K138.A1
Net-(K139-PadA1): length 46.1
  Top w0.2: v5(23.11,420.88) 23.68,421.45 24.42,421.45 25.65,422.68 25.65,425.7 26.16,426.21 U22.13
  Bottom w0.2: K139.A1 34.46,396.16 35.56,397.26 35.56,409.45 34.54,410.46 23.88,410.46 23.11,411.23 v5(23.11,420.88)
Net-(K140-PadA1): length 38.4
  Top w0.2: v5(23.43,426.21) 23.43,423.99 v5(21.84,422.4)
  Bottom w0.2: U22.12 24.64,428.75 23.43,427.54 v5(23.43,426.21) ; v5(21.84,422.4) 20.83,421.39 20.83,397.68 K140.A1
Net-(K141-PadA1): length 11.2
  Bottom w0.2: U22.14 21.76,423.67 19.05,420.96 K141.A1
Net-(K142-PadA1): length 29.9
  Bottom w0.2: U22.15 29.72,421.13 30.48,421.89 30.48,435.36 29.46,436.37 26.67,436.37 20.66,442.39 K142.A1
Net-(K143-PadA1): length 35
  Bottom w0.2: U22.18 29.72,413.51 30.99,414.78 30.99,435.61 29.46,437.13 29.46,440.18 30.48,441.2 33.27,441.2 33.78,441.71 K143.A1
Net-(K144-PadA1): length 44.2
  Top w0.2: U22.17 28.83,416.05 30.35,417.58 v5(31.69,417.58)
  Bottom w0.2: K144.A1 48.77,441.96 48.01,441.2 34.04,441.2 31.69,438.85 v5(31.69,417.58)
Net-(K145-PadA1): length 38.1
  Bottom w0.2: K145.A1 78.23,415.29 74.68,418.85 74.68,438.4 75.44,439.17 79.5,439.17 U23.16
Net-(K146-PadA1): length 62.2
  Top w0.2: v5(90.99,440.44) 92.96,440.44 94.23,439.17 U23.11
  Bottom w0.2: K146.A1 60.2,416.05 58.67,417.58 58.67,427.48 59.94,428.75 73.41,428.75 74.17,429.51 74.17,438.91 75.69,440.44 v5(90.99,440.44)
Net-(K147-PadA1): length 43.7
  Top w0.2: U23.13 89.15,440.69 v5(88.65,441.2)
  Bottom w0.2: v5(88.65,441.2) 87.88,441.96 63.75,441.96 59.18,437.39 59.18,432.31 60.2,431.29 K147.A1
Net-(K148-PadA1): length 38.2
  Bottom w0.2: K148.A1 61.39,445.34 62.48,444.25 90.17,444.25 91.69,442.72 U23.12
Net-(K149-PadA1): length 11
  Top w0.2: U23.14 86.61,442.15 v5(83.82,444.95)
  Bottom w0.2: K149.A1 82.98,445.6 83.63,444.95 v5(83.82,444.95)
Net-(K150-PadA1): length 30.2
  Bottom w0.2: U23.15 84.07,435.86 85.09,434.85 97.79,434.85 99.06,436.12 99.06,444.5 101.09,446.53 K150.A1
Net-(K151-PadA1): length 31.3
  Bottom w0.2: K151.A1 102.79,432.64 101.35,434.09 76.96,434.09 76.45,434.59 U23.18
Net-(K152-PadA1): length 43
  Top w0.2: U23.17 78.99,434.4 v5(80.01,433.39)
  Bottom w0.2: v5(80.01,433.39) 98.24,433.39 100.08,431.55 100.08,416.81 101.35,415.54 K152.A1
Net-(K153-PadA1): length 42.7
  Bottom w0.2: U24.16 160.27,439.93 159.26,440.94 153.92,440.94 152.91,439.93 152.91,429.51 153.92,428.5 157.48,428.5 158.75,427.23 158.75,417.07 160.78,415.04 K153.A1
Net-(K154-PadA1): length 56.9
  Top w0.2: v5(152.15,430.53) 152.28,430.53 154.37,432.62 170.5,432.62 172.97,435.1 U24.11
  Bottom w0.2: K154.A1 137.92,415.54 136.65,416.81 136.65,425.96 139.95,429.26 151.89,429.26 152.15,429.51 v5(152.15,430.53)
Net-(K156-PadA1): length 36.9
  Bottom w0.2: K156.A1 139.87,444.58 140.97,443.48 168.4,443.48 170.43,441.45 U24.12
Net-(K157-PadA1): length 9.2
  Top w0.2: v5(164.85,444.18) 165.35,443.68 U24.14
  Bottom w0.2: v5(164.85,444.18) 163.89,444.18 162.99,445.09 K157.A1
Net-(K158-PadA1): length 32.5
  Bottom w0.2: U24.15 162.81,435.86 163.32,435.36 176.78,435.36 177.8,436.37 177.8,442.72 180.85,445.77 K158.A1
Net-(K159-PadA1): length 33.9
  Bottom w0.2: K159.A1 181.27,434.34 156.97,434.34 155.19,436.12 U24.18
Net-(K160-PadA1): length 46.5
  Top w0.2: U24.17 157.73,433.83 v5(158.24,433.32)
  Bottom w0.2: v5(158.24,433.32) 158.5,433.07 178.05,433.07 180.09,431.04 180.09,418.59 183.64,415.04 K160.A1
Net-(K161-PadA1): length 41.2
  Bottom w0.2: U25.16 225.04,422.91 224.28,422.15 224.28,416.81 224.79,416.31 235.46,416.31 236.22,417.07 236.22,424.94 236.73,425.45 247.22,425.45 K161.A1
Net-(K162-PadA1): length 58.8
  Top w0.2: v5(223.77,424.94) 223.77,434.59 224.79,435.61 U25.11
  Bottom w0.2: v5(223.77,424.94) 223.77,416.56 225.04,415.29 245.87,415.29 247.4,413.77 247.4,403.61 248.75,402.25 K162.A1
Net-(K163-PadA1): length 33.6
  Top w0.2: U25.13 228.35,430.53 231.39,427.48 231.39,415.61 v5(230.38,414.59)
  Bottom w0.2: v5(230.38,414.59) 230.38,403.86 231.98,402.25 K163.A1
Net-(K164-PadA1): length 44.8
  Top w0.2: v5(224.03,435.86) 222.81,437.08 221.85,437.08 v5(221.8,437.13)
  Bottom w0.2: v5(224.03,435.86) 224.79,435.1 224.79,433.83 225.55,433.07 U25.12 ; v5(221.8,437.13) 221.49,437.13 220.98,436.63 220.98,405.13 217.85,402 K164.A1
Net-(K165-PadA1): length 38.1
  Top w0.2: v5(228.92,431.04) 230.12,432.25 230.12,438.91 229.62,439.42 222.82,439.42 v5(221.8,438.4)
  Bottom w0.2: K165.A1 218.87,426.89 220.22,428.24 220.22,437.64 220.98,438.4 v5(221.8,438.4) ; v5(228.92,431.04) 228.92,428.56 228.35,427.99 U25.14
Net-(K166-PadA1): length 24.8
  Bottom w0.2: K166.A1 218.27,444.93 222.5,440.69 222.5,429.51 U25.15
Net-(K167-PadA1): length 31.7
  Bottom w0.2: K167.A1 231.82,444.42 229.62,442.21 229.62,419.1 228.35,417.83 U25.18
Net-(K168-PadA1): length 43.9
  Top w0.2: U25.17 229.11,420.37 v5(230.38,421.64)
  Bottom w0.2: v5(230.38,421.64) 230.38,440.94 231.65,442.21 247.14,442.21 248.92,443.99 K168.A1
Net-(K169-PadA1): length 41
  Bottom w0.2: K169.A1 249.68,361.44 248.67,360.43 237.49,360.43 236.73,359.66 236.73,355.35 236.47,355.09 225.04,355.09 224.03,356.11 224.03,361.7 224.54,362.2 U26.16
Net-(K170-PadA1): length 62.7
  Top w0.2: U26.11 223.52,374.9 222.57,373.95 v5(222.57,373.38)
  Bottom w0.2: v5(222.57,373.38) 222.87,373.08 222.87,365.65 223.27,365.25 223.27,355.6 224.54,354.33 236.98,354.33 237.24,354.08 237.24,342.9 238.51,341.63 248.75,341.63 K170.A1
Net-(K171-PadA1): length 43.8
  Top w0.2: U26.13 222.76,369.82 221.87,368.93 v5(221.87,368.05)
  Bottom w0.2: K171.A1 232.41,341.38 231.9,340.87 224.54,340.87 221.87,343.54 v5(221.87,368.05)
Net-(K172-PadA1): length 38
  Top w0.2: v5(221.49,370.59) 223.27,372.36 U26.12
  Bottom w0.2: v5(221.49,370.59) 220.98,370.08 220.98,345.19 218.1,342.31 K172.A1
Net-(K173-PadA1): length 13.3
  Top w0.2: v5(220.28,366.01) 221.55,367.28 U26.14
  Bottom w0.2: K173.A1 217.66,362.63 220.28,365.25 v5(220.28,366.01)
Net-(K174-PadA1): length 28.3
  Bottom w0.2: U26.15 224.79,364.74 223.27,366.27 223.27,382.02 220.81,384.47 K174.A1
Net-(K175-PadA1): length 30.8
  Bottom w0.2: U26.18 228.85,357.12 230.38,358.65 230.38,381.93 K175.A1
Net-(K176-PadA1): length 43.6
  Top w0.2: v5(231.39,361.7) 229.36,359.66 U26.17
  Bottom w0.2: v5(231.39,361.7) 231.39,380.49 232.41,381.51 246.46,381.51 K176.A1
Net-(K177-PadA1): length 39.6
  Bottom w0.2: U27.16 224.28,304.55 223.01,303.28 223.01,298.7 225.04,296.67 235.71,296.67 244.54,305.5 248.68,305.5 K177.A1
Net-(K178-PadA1): length 64.4
  Top w0.2: v5(221.49,306.58) 221.49,315.47 223.27,317.25 U27.11
  Bottom w0.2: K178.A1 246.97,281.18 240.03,281.18 236.47,284.73 236.47,294.64 235.2,295.91 223.01,295.91 221.49,297.43 v5(221.49,306.58)
Net-(K179-PadA1): length 39.7
  Top w0.2: v5(222.76,295.15) 222.7,295.21 222.7,310.84 224.03,312.17 U27.13
  Bottom w0.2: K179.A1 230.21,283.64 228.85,284.99 228.85,294.89 228.46,295.28 222.89,295.28 v5(222.76,295.15)
Net-(K180-PadA1): length 37.8
  Top w0.2: v5(221.76,296.18) 222.25,296.67 222.25,313.69 223.27,314.71 U27.12
  Bottom w0.2: K180.A1 216.58,283.64 221.63,288.68 221.63,296.05 v5(221.76,296.18)
Net-(K181-PadA1): length 33.5
  Top w0.2: v5(220.93,294.89) 221.69,294.13 223.27,294.13 224.03,294.89 224.03,308.86 224.79,309.63 U27.14
  Bottom w0.2: K181.A1 216.41,299.41 v5(220.93,294.89)
Net-(K182-PadA1): length 27
  Bottom w0.2: U27.15 222.25,307.09 220.47,308.86 220.47,324.36 218.27,326.56 K182.A1
Net-(K183-PadA1): length 31.2
  Bottom w0.2: U27.18 227.58,299.47 229.36,301.24 229.36,325.12 230.55,326.31 K183.A1
Net-(K184-PadA1): length 44
  Top w0.2: U27.17 228.6,302.01 230.12,303.53 v5(230.12,305.31)
  Bottom w0.2: v5(230.12,305.31) 230.12,321.82 232.66,324.36 247.94,324.36 249.63,326.05 K184.A1
Net-(K185-PadA1): length 38.7
  Bottom w0.2: U28.16 160.27,340.61 156.72,340.61 154.69,338.58 154.69,320.04 158.24,316.48 K185.A1
Net-(K186-PadA1): length 28.7
  Top w0.2: U28.11 175.77,333.06 v5(176.28,332.55)
  Bottom w0.2: K186.A1 184.15,315.72 181.36,318.52 181.36,331.22 180.02,332.55 v5(176.28,332.55)
Net-(K187-PadA1): length 55.3
  Top w0.2: U28.13 170.69,340.11 168.91,341.88 v5(166.37,341.88)
  Bottom w0.2: v5(166.37,341.88) 154.94,341.88 153.67,340.61 153.67,320.8 152.15,319.28 142.75,319.28 140.63,317.16 K187.A1
Net-(K188-PadA1): length 45.5
  Top w0.2: v5(153.67,342.14) 161.8,342.14 164.21,344.55 167.26,344.55 173.23,338.58 U28.12
  Bottom w0.2: K188.A1 140.63,333.42 141.73,334.52 152.15,334.52 152.91,335.28 152.91,341.38 v5(153.67,342.14)
Net-(K189-PadA1): length 34.5
  Bottom w0.2: K189.A1 140.63,346.28 143.76,343.15 167.13,343.15 168.15,342.14 U28.14
Net-(K190-PadA1): length 10.4
  Top w0.2: v5(164.59,343.85) 165.61,342.84 U28.15
  Bottom w0.2: K190.A1 163.24,345.21 v5(164.59,343.85)
Net-(K191-PadA1): length 40.5
  Bottom w0.2: U28.18 157.99,335.28 159,334.26 179.07,334.26 181.1,336.3 181.1,344.93 183.39,347.22 K191.A1
Net-(K192-PadA1): length 29.6
  Top w0.2: U28.17 160.53,333.82 v5(160.78,333.56)
  Bottom w0.2: K192.A1 183.13,331.22 181.1,333.25 161.1,333.25 v5(160.78,333.56)
unconnected-(J1-Pad1): length 1231.7
  AGND w0.2: U1.CC7 27.69,275.34 26.92,276.1 19.05,276.1 18.54,276.61 18.54,332.74 18.8,332.99 21.08,332.99 21.34,333.25 21.34,333.76 21.59,334.01 U1.J9
  AGND w0.508: 36.58,245.36 36.58,273.56 U1.CC4 U1.CC7 ; 36.58,245.36 36.73,245.21 44.06,245.21 46.76,247.9 75.45,247.9 83.83,239.52 U3.A7 ; 36.58,245.36 36.58,239.01 34.98,237.42 J1.1 34.98,235.78 38.35,232.41 45.97,232.41 51.31,227.08 51.31,98.81 65.53,84.58 U2.A7 ; U1.A7 U1.J7 ; U1.A7 U1.B8 ; U1.A7 U1.A3 ; U4.H9 U4.H2 ; U4.A3 U4.A7 U4.B7 ; U4.A3 U4.B3 ; U4.A3 51.05,376.68 47.24,372.87 47.24,354.58 45.72,353.06 40.64,353.06 40.39,352.81 U1.B2 ; U3.B2 U3.B3 U3.B7 U3.B9 U3.J9 U3.J3 U3.J2 U3.B2 ; U3.B2 U3.A3 U3.A7 ; U1.A6 U1.J6 ; U2.G9 U2.G2 ; U2.H9 U2.H2 ; U2.B3 U2.A3 U2.A7 ; U2.B3 U2.B7 ; U2.B3 U2.B2 U2.J2 U2.J9 U2.B9 U2.B8 U2.B7 ; U2.A7 U2.B7 ; U3.H9 U3.H3 U3.H2 ; U4.C9 U4.C2 ; U4.F9 U4.F2 ; U2.CC7 U2.CC4 ; U2.D9 U2.D2 ; U3.E2 U3.E3 U3.E9 ; U4.B3 U4.B2 U4.J2 U4.J9 U4.B9 U4.B7 ; U4.B3 U4.B7 ; U3.CC7 U3.CC4 ; U1.B8 U1.B9 U1.J9 U1.J2 U1.B2 ; U1.B8 U1.J8 ; U3.C2 U3.C3 U3.C9 ; U4.CC7 U4.CC4 ; U3.D2 U3.D3 U3.D9 ; U1.A3 U1.B2 ; U1.A3 U1.J3 ; U3.A7 U3.B8 ; U3.G9 U3.G3 U3.G2 ; U4.E9 U4.E2 ; U4.D9 U4.D2 ; U4.G9 U4.G2 ; U1.A5 U1.J5 ; U2.C9 U2.C2 ; U2.E9 U2.E2 ; U1.A4 U1.J4 ; U2.F9 U2.F2 ; U3.F9 U3.F3 U3.F2

## Copper pours and planes (outline as drawn; the poured copper is in the pictures)
+12V on +12V: 258.83,0.25 0.25,0.25 0.25,463.8 258.83,463.8
AGND on AGND: 258.83,0.25 0.25,0.25 0.25,463.8 258.83,463.8
DGND on Bottom: 258.83,0.25 0.25,0.25 0.25,463.8 258.83,463.8

## Text on the board
User.Comments: Copper Layer Count: | Board overall dimensions: | Min track/spacing: | Copper Finish: | Castellated pads: | Edge card connectors: | 4 | 259.0800 mm x 464.0580 mm | 0.2000 mm / 0.0000 mm | None | No | Board Thickness: | Min hole diameter: | Impedance Control: | Plated Board Edge: | 1.6000 mm | 0.3000 mm | BOARD CHARACTERISTICS
